# KiCad board Beacon_Multiboard.kicad_pcb (continued)
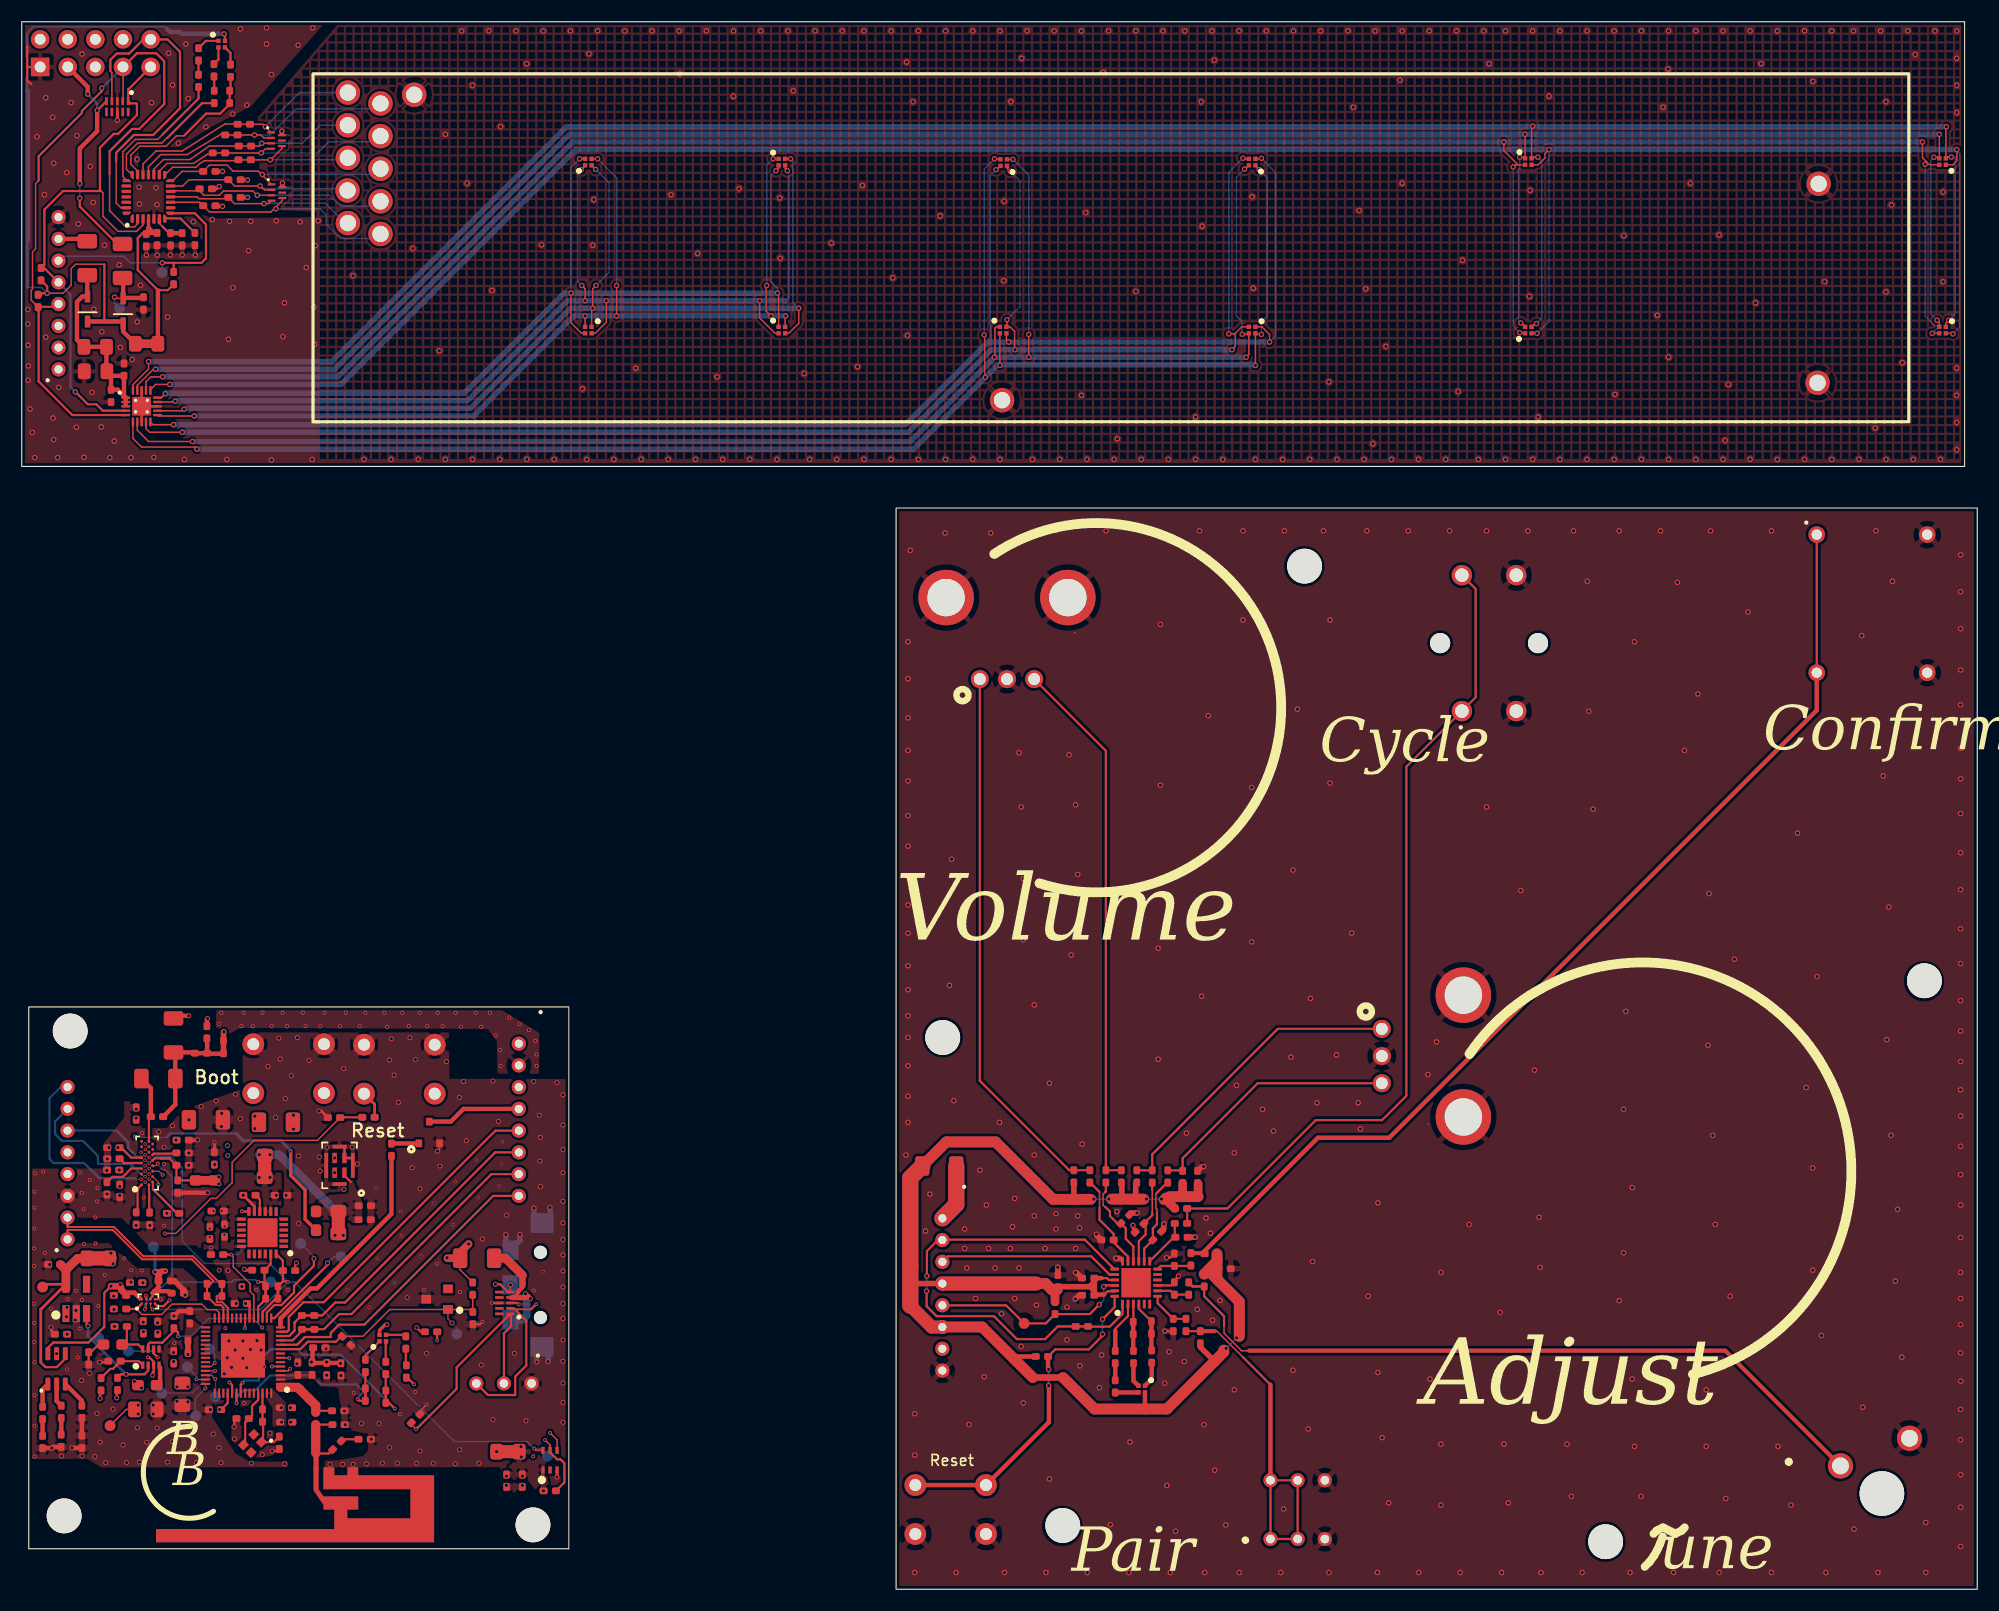
[diagram p0: board, top side]
## Routing (per net, layer and track width the routed paths; a pad name or vN(x,y) marks a point on that pad's centre or on a via; arc(x,y) is an arc through that point)
/Fret_Assembly/+3V3: length 19.8
  Top w0.4: U401.1 9.4,109.75 C303.2 8.24,111.6 C402.2 ; U401.1 8.83,110.32 C401.2 8.21,111.63 C402.2 ; U401.1 9.56,108.95 ; C402.2 7.79,112.05 J401.2 J401.1 5.08,114.9 5.08,118.4 5.57,118.89 D413.2 6.02,118.91 F401.2
/Fret_Assembly/+3V3_DEBUG: length 21.1
  Top w0.2: v1(5.33,127.93) 5.33,127.17 8.55,123.95 9.33,123.95 ; D415.5 7.79,136.86 v1(6.93,136.01)
  Top w0.4: v1(5.33,129.27) 5.33,132.5 6.93,134.1 v1(6.93,136.01) ; v1(6.07,137.5) 6.07,138.16 4.24,139.99
  Bottom w0.13: v1(5.33,127.93) v1(5.33,129.27)
  Bottom w0.2: v1(6.07,137.5) 6.93,136.64 v1(6.93,136.01)
/Fret_Assembly/+3V3_EXT: length 2.7
  Top w0.4: J102.7 5.81,124.19 F401.1
/Fret_Assembly/+3V3_PROTECT: length 83.8
  Top w0.13: 7.59,121.86 4.95,121.86 4.55,121.45 4.55,119.93 3.81,119.19 v1(2.34,119.19)
  Top w0.2: 11.45,124.74 11.13,124.74 10.67,124.27 10.67,121.32 12.52,119.47 13.43,119.47 R409.1 ; 7.59,121.86 7.59,116.67 7.67,116.59 ; 1.78,119.07 1.9,119.19 v1(2.34,119.19) 2.34,119.82 R401.2 ; D417.4 18.69,142.97 v1(18.62,143.04)
  Top w0.3: 11.66,125.21 U402.4
  Top w0.4: J408.1 12.52,119.47 ; J408.2 9.33,115.67 9.33,116.6 9.32,116.59 D413.1 ; 11.45,124.74 C405.2 12.13,124.74 11.66,125.21 11.66,124.94 11.45,124.74
  Top w0.8: J408.2 J408.1
  Bottom w0.13: v1(2.34,119.19) 1.8,119.72 0.51,119.72 ; 0.5,143.03 0.5,143.13 1.07,143.7 13.16,143.7 13.36,143.5
  Bottom w0.2: 0.58,124.09 0.51,124.02 0.51,119.72 ; 0.5,143.03 0.5,137.85 0.51,137.83
  Bottom w0.4: 0.51,137.83 0.58,137.76 0.58,124.09 ; v1(18.62,143.04) 18.59,143.07 14.68,143.07 14.53,143.22 13.64,143.22 13.36,143.5
/Main_Board/3V3_PG: length 46.3
  Top w0.13: C801.2 27.19,41.28 21.36,41.28 19.35,39.27 19.35,37.4 17.9,35.95 17.4,35.95 14.17,32.72 v3(13.18,32.72)
  Top w0.2: R804.2 29.32,43.41 C801.2 ; PS501.2 11.63,20.11 11.29,19.77 v2(9.6,19.77) 9.12,19.77 R505.1 ; v2(6.09,24.21) 5.96,24.34 PS503.3
  In3.Cu w0.13: v2(6.09,24.21) 6.09,26.54 9.55,29.99 9.76,29.99 12.48,32.72 v3(13.18,32.72)
  Bottom w0.25: v2(9.6,19.77) 6.09,23.27 v2(6.09,24.21)
/Main_Board/+2V5: length 52.8
  Top w0.2: D501.4 4.01,21.21 3.22,20.43 2.18,20.43 1.75,20.86 ; C604.2 9.12,40.57 9.15,40.62 10.07,39.7 U601.A11
  Top w0.25: 1.75,20.86 1.75,25.74 PS503.5 1.93,28.05 1.88,28.1
  Top w0.3: v3(24.74,40.24) 24.74,38.06 26.06,36.73 26.06,34.03 R1201.1
  Top w0.8: C534.2 4.06,29.37 ; 4.06,29.37 4.06,27.64 ; 4.06,29.37 5.13,30.43 J603.1
  Top w1.3: J603.2 J603.1
  In2.Cu w0.09: U601.B6 11.21,38.45 ; U601.B14 11.21,40.6 11,40.6 10.93,40.67
  In2.Cu w0.2: v2(9.01,37.04) 9.01,37.21 C606.2 10.24,38.45 11.21,38.45 ; v2(10.51,43.34) 10.51,43.17 10.52,43.17 10.52,41.08 10.93,40.67
  Bottom w0.09: 13.36,41.56 10.47,41.56 v3(10.4,41.64) 10.46,41.56
  Bottom w0.2: 19.71,41.92 13.66,41.92 13.36,41.61
  Bottom w0.3: 24.74,40.29 24.74,40.34 23.82,41.26 20.37,41.26 19.71,41.92
  vias: v2(8.2,30.92) v2(8.4,29.93) v2(8.84,40.62) v5(11.37,40.45) v5(11.35,38.45)
/Main_Board/+3V3: length 166.9
  Top w0.13: C502.2 9.62,16.54 TP501.1 ; 14.23,37.72 C602.2 ; 15.99,37.6 J601.1
  Top w0.18: 12.79,39.63 12.22,39.63
  Top w0.2: v2(12.04,19.68) 12.04,19.91 12.13,20 PS501.3 12.13,20.93 11.73,21.33 v3(11.61,21.33) ; 30.26,37.45 29.68,38.04 MK1201.1 ; C703.2 20.71,26.28 v2(20.57,26.28) 20.72,26.28 20.95,26.05 U701.20 ; v2(25.27,30) 25.15,29.89 R702.2 ; 13.58,39.63 C603.2 14.23,37.72 ; C602.2 15.99,37.6 ; R505.2 8.73,18.24 v2(8.73,17.6) ; U701.46 18.95,17.13 18.35,16.53 v2(18.18,16.53) 18.19,16.52 C709.2 ; R501.2 7.21,18.2 v2(7.21,17.54) ; U601.D10 12.22,39.63
  Top w0.25: 12.79,39.63 12.8,39.62 12.81,39.63 13.58,39.63 ; v2(20.47,29.43) 20.55,29.35 R701.2
  Top w0.3: D801.4 32.9,23.82 33.42,24.34 v2(33.58,24.34)
  Top w0.4: C706.2 26.74,22.16 26.74,21 v2(26.64,20.9) L701.1 26.74,20.81 27.95,20.81 v2(28.04,20.9) 28.01,20.85 C705.2 28.06,20.81 29.27,20.81 v2(29.31,20.77) 29.33,20.79 C704.2
  Top w0.5: J701.2 J701.1
  Top w0.8: J601.1 J601.2
  Top w1.2: J1001.1 J1001.2 ; J1201.2 J1201.1 ; v2(43.68,12.65) J1101.2
  In2.Cu w0.2: 10.72,18.7 10.65,18.76 ; 18.18,17.61 18.54,17.96 19.94,17.96 ; v2(12.04,19.68) 11.57,19.68 ; v2(25.27,30) 24.81,30.46 21.5,30.46 v2(20.47,29.43) ; v2(11.02,18.51) 10.41,19.12 v2(10.36,19.12) ; 29.18,20.9 v2(29.31,20.77)
  In2.Cu w0.25: v2(3.21,21.67) 3.21,21.71
  In2.Cu w0.5: 3.21,21.71 4.56,23.06 v2(4.17,23.45) 4.11,23.51 v2(4.11,25.06) 4.1,25.08 4.1,25.86 v2(4.16,25.93)
  In2.Cu w0.6: v2(13.97,20.95) 14.46,20.95 15.1,21.59 v2(15.29,21.59) ; 13.97,20.86 13.42,20.31 12.04,20.31 ; v2(23.88,16.7) 22.95,17.63 U701.56 ; 7.61,24.85 v2(8.48,25.72)
  In2.Cu w0.7: 18.18,17.61 v2(18.18,16.53) ; v2(15.29,18.61) 15.29,18.55 16.33,17.51 17.45,17.51 ; 23.77,15.5 23.77,16.59 ; U701.56 22.78,18.2 22.78,18.9 23.77,19.89 23.77,21.9 24.2,22.33 25.83,22.33 26.67,21.49 26.67,21.14 26.79,21.01 29.07,21.01 29.18,20.9
  In2.Cu w0.8: 15.08,18.45 13.81,18.45 12.58,19.68 v2(12.04,19.68) 12.04,20.59 11.61,21.02 v3(11.61,21.33) 9.64,23.3 8.08,23.3 7.21,24.16 ; 11.57,19.68 9.43,17.54 v2(7.21,17.54) ; 17.45,17.51 17.9,17.96 22.87,17.96 U701.56 ; 7.21,24.16 7.21,24.45 7.61,24.85 ; 7.21,24.16 7.21,23.93 6.34,23.06 4.56,23.06 ; v2(10.72,16.12) 10.72,18.7
  In3.Cu w0.2: v2(43.68,12.65) 43.68,12.71 ; 32.89,23.5 32.74,23.5
  In3.Cu w0.5: v2(29.31,20.77) 30.01,20.77 v2(33.58,24.34)
  In3.Cu w0.6: 43.68,12.71 32.89,23.5
  In3.Cu w0.7: 20.75,26.42 20.75,25.86 20.22,25.33 16.28,25.33
  In3.Cu w0.8: v2(21.84,39.96) 21.43,40.37 v2(21.43,43.5) ; v2(21.84,39.96) 19.25,37.37 19.25,36.84 ; v2(21.84,39.96) v2(22.83,39.96) ; 19.25,36.84 18.58,36.84 18.11,37.31 18.11,38.7 v2(17.75,39.06) ; 19.25,36.84 19.25,34.42 20.37,33.31 20.37,29.53 v2(20.47,29.43) 20.46,29.43 18.98,27.96 18.91,27.96 15.39,24.44 15.39,21.69 v2(15.29,21.59)
  Bottom w0.2: v2(28.82,32.55) 28.87,32.49 29.21,32.49 29.26,32.55 v2(29.58,32.55)
  Bottom w0.8: 29.21,32.49 29.21,34.42 23.67,39.96 v2(21.84,39.96)
  vias: v2(10.72,16.93) v2(14.27,18.61) v2(18.13,37.92) v2(18.13,37.28) v2(21.43,42.36) v2(21.84,37.87) v2(22.83,37.87) v2(23.42,36.23) v2(23.9,15.37) v2(44.57,10.39) v2(45.92,13.11) v2(45.95,12.17) v2(46.05,10.39) v2(47.88,10.34) v2(47.98,9.05) v3(17.29,33.17) v3(17.4,31.43) v3(18.39,34.79) v3(18.67,33.37)
/Main_Board/+3V3_EXT: length 23.3
  In2.Cu w0.8: v2(24.99,43.59) v2(24.99,42.32) ; 24.99,42.93 41.4,42.93 44.64,46.18 J101.3
/Main_Board/+5V: length 31.2
  Top w0.2: 9.01,27.87 9.14,27.74 9.14,27.95 v2(9.07,28.02) ; PS502.A2 10.98,26.74 10.89,26.74 ; D501.6 2.41,22.2 2.89,22.69 6.14,22.69 7.59,24.14 7.59,27.26 v2(8.2,27.87)
  Top w0.4: 10.89,26.74 10.36,27.28 9.59,27.28
  Top w0.6: 9.14,27.74 9.14,27.54 9.61,27.07 C504.2 ; v2(8.2,27.87) 9.01,27.87
  In2.Cu w0.2: v2(8.2,27.87) 8.35,28.02 v2(9.07,28.02)
  In2.Cu w0.7: 2.69,32.11 2.69,31.86
  In2.Cu w0.8: 8.05,28.02 5.97,28.02 4.52,29.47 4.52,30.03 2.69,31.86
  In2.Cu w1: v2(9.07,28.02) 8.05,28.02 ; J106.4 3.27,38.18 2.69,37.6 2.69,32.11
/Main_Board/Regulators/3V3_EN: length 53.4
  Top w0.13: v3(36.27,14.71) 35.82,15.16 R508.2
  Top w0.2: PS501.7 11.63,22.52 11.78,22.68 12.93,22.68 14,23.75 C507.1 14.37,23.62 v3(14.37,23.27) ; SW501.2 44.35,23.53 45.01,24.19 45.01,25.25 D507.1 39.99,20.39 39.99,18.44 v3(36.27,14.71)
  In2.Cu w0.13: v3(22.12,24.06) 26.85,24.06 33.32,17.58 33.32,16.85 35.46,14.71 v3(36.27,14.71)
  Bottom w0.13: v3(22.12,24.06) 21.28,24.9 17.19,24.9 15.57,23.27 v3(14.37,23.27)
/Tactile_Board/+3V3: length 130.4
  Top w0.13: 108.19,37.29 C301.2
  Top w0.2: 99.55,27.09 99.86,27.4 100.47,27.4 U1501.23 ; U1501.21 99.97,28.44 99.8,28.62 99.32,28.62 ; 91.58,21.4 91.31,21.14 ; 103.3,16.59 103.29,16.58 ; 95.03,27.35 95.54,27.85 ; 110.02,30.76 R1402.1
  Top w0.25: R1410.2 101.18,37.35
  Top w0.3: 98.7,27.09 C1501.2
  Top w0.4: 99.55,27.09 98.7,27.09 ; 99.32,28.62 C1503.2 ; R1502.2 91.58,21.4 ; D1501.4 103.3,16.59
  Top w0.5: R1409.1 96.76,35.88 96.74,35.86 ; 98.23,27.85 98.65,28.27 C1503.2 C1501.2 98.65,27.44 98.23,27.85 ; 98.23,27.85 98.21,27.83 95.57,27.83 95.54,27.85 ; 109.7,20.96 108.39,22.27 R1403.1 ; 101.18,37.35 101.18,35.88 ; J104.4 81.72,28.12 ; R1411.1 102.45,37.29 102.45,35.88
  Top w0.6: 92.98,19.47 95.77,19.47
  Top w0.8: 105.57,36.11 105.57,35.49 R1401.1 ; R1501.2 95.03,27.35 ; R1412.2 106.77,36.31 106.57,36.11 ; 108.19,36.11 108.19,37.29 ; 110.02,28.41 110.02,30.76
  Top w1: R1404.1 109.93,30.16 R1402.1 ; 105.76,35.96 105.22,35.96 105.09,35.83 ; 93.3,28.12 94.16,28.12 94.73,27.55 95.24,27.55 ; F301.2 85.03,41.14 89.57,41.14 94.86,35.86 98.31,35.86 ; 111.98,23.26 111.98,26.46 109.56,28.87 ; 100.24,35.88 103.19,35.88 ; 110.55,21.99 110.55,21.81 105.32,16.58 98.67,16.58 95.77,19.47 ; 108.19,36.11 105.57,36.11 ; J104.6 88.33,24.12 92.98,19.47
  Top w1.2: 81.72,29.78 81.72,28.12 ; 81.72,26.08 83.69,24.12 J104.6
  Top w1.3: J104.4 93.3,28.12
  Top w1.5: 81.72,26.08 81.72,37.83 F301.2
  Bottom w0.13: v1(111.73,23.12) v1(110.77,22.16) ; v1(104.82,35.88) v1(103.44,35.88) ; v1(99.97,35.88) v1(98.61,35.88)
/Tactile_Board/+3V3_EXT: length 5.3
  Top w1.5: J104.1 85.95,35.39 F301.1
GND: length 106.9
  Top w0.13: 2.87,13.09 v2(2.77,12.99) 2.76,12.98 ; R508.1 36.62,16.39 v3(37.23,17) ; C610.2 14.19,52.74 ; 23.93,133.9 D416.7 ; v2(29.64,36.79) 29.64,36.85 ; C1406.1 102.04,34.61 ; v2(38.22,40.29) 38.43,40.49 Q1301.S ; 23.98,129.1 23.98,128.96 D418.7 ; v1(96.91,29.12) 97.01,29.12 ; 16.15,41.31 v2(16.18,41.33) ; v1(108.7,38.88) 108.54,38.88 ; 4.63,13 v2(4.62,13.01)
  Top w0.2: C406.1 17.88,127.18 v1(18.46,127.18) ; C533.1 2.69,23.8 v2(2.69,24.09) ; R503.1 7.87,20.89 v2(7.16,20.89) ; v1(105.14,23.74) 105.9,23.74 C1403.1 ; v2(23.04,12.71) 23.49,12.71 C710.1 ; J410.1 J410.2 6.36,21.8 7.07,22.51 R504.1 ; U401.EP 11.03,108.8 U401.8 ; U401.EP 11.03,108.8 U401.18 ; U401.EP 11.04,108.79 U401.13 ; U1501.9 105.72,27.94 C1404.1 106.01,28.41 v1(106.39,28.79) ; v3(43.25,26.33) D507.8 ; 0.51,140.02 0.51,141.87 0.53,141.9 ; 0.51,140.02 0.51,138.77 0.86,138.42 ; 0.51,140.02 0.53,139.99 1.7,139.99 ; C1407.1 102.2,33.05 v1(102.2,33.47) ; C413.1 17.84,130.4 v1(18.46,130.4) ; v3(45.7,26.2) 45.57,26.33 D507.3 ; C412.1 20.16,129.6 v1(20.76,129.6) ; R510.1 42.14,24.37 v3(42.36,24.59) ; v3(12.77,26.68) 12.25,26.68 PS502.D2 ; v1(105.29,30.5) 105.63,30.5 C1402.1 ; v1(98.84,32.66) 98.84,32.57 ; v2(19.53,14.94) 19.53,15.48 C711.1 ; 105.04,33.14 C1408.1 ; v1(20.76,128) C410.1
  Top w0.25: C801.1 27.55,43.98 v2(27.35,43.98) ; 17.5,128.79 17.95,128.79 v1(18.16,129) ; 30.46,39.68 30.45,39.66 MK1201.2 29.68,40.67 29.65,40.7 ; v2(49.23,10.32) 49.24,10.33 U1101.3 ; v1(8.79,135.1) D415.8 ; C601.1 17.73,40.2 v4(17.73,41.1) ; v2(20.37,36.24) 21.4,35.21 U1001.11
  Top w0.3: C612.2 16.15,41.31 ; 100.97,30.45 U1501.18 ; 97.24,27.04 C1501.1
  Top w0.4: C602.1 v2(17.08,36.47) ; J502.2 5.53,14.14 R511.1 ; v2(17.09,52.48) 17.03,52.42 C609.2 ; v1(23.93,134.1) 23.93,133.9 ; 14.19,52.74 v2(15.36,52.74) ; J502.1 4.63,13 ; R516.1 2.76,12.98 ; R515.1 2.87,13.09 ; v1(23.98,129.33) 23.98,129.1 ; v2(14,25.13) 14.44,25.57 C708.1
  Top w0.5: C513.1 v2(15.03,27.06) 14.91,27.51 14.07,28.35 C506.1 ; v1(105.04,33.59) 105.04,33.14 ; 108.54,38.88 C301.1 ; v1(95.29,29.61) C1502.1 ; 98.84,32.57 C1405.1 ; C1401.1 v1(107.91,32.38) ; v1(96.9,26.7) 97.24,27.04 ; 102.04,34.61 v1(102.58,34.61) ; 97.01,29.12 C1503.1 ; v1(100.65,30.45) 100.97,30.45
  In4.Cu w0.15: 8.16,39.17 8.11,39.12 7.06,39.12 ; 10.01,39.17 10.06,39.12
  In4.Cu w0.2: 10.06,39.12 10.82,38.36 10.51,38.06 10.51,37.7 10.63,37.59 10.63,37.55 10.83,37.35 11.28,37.35 v5(11.36,37.43) ; 7.06,39.12 7.01,39.17 ; 8.16,39.17 10.01,39.17
  In4.Cu w0.25: 5.99,42.17 5.13,42.17 ; 9.8,41.1 9.9,41 ; 4.98,41.15 4.47,41.15 4.42,41.21 3.71,41.21 3.1,41.81 3.1,43.03 3.6,43.54 ; 10.46,39.94 10.7,39.94 v5(10.97,40.2)
  In4.Cu w0.381: 5.22,39.17 3.05,39.17 2.49,39.73 2.49,45.12 3.2,45.83 ; J106.5 4.21,40.9 4.47,41.15 5.69,41.15 7.01,39.83 7.01,39.17
  In4.Cu w0.4: 9.8,41.1 8.73,42.17 5.99,42.17 4.98,41.15 ; 10.51,37.7 10.34,37.7 10.19,37.85 7.01,37.85 5.69,39.17 5.22,39.17 J106.5 ; 9.9,41 9.9,40.49 10.46,39.94
  Bottom w0.2: 47.37,21.8 J501.3 48.41,21.73
  Bottom w0.5: v2(47.37,20.91) 47.37,21.8 ; v2(47.11,35.06) 47.11,34.42 J501.3 48.59,34.42 v2(48.59,35.11) ; v2(44.52,32.62) 44.52,31.62 J501.3 45.82,32.05 v2(45.82,32.62) ; v2(48.41,20.94) 48.41,21.73
  vias: v1(0.56,117.69) v1(0.56,116.37) v1(0.58,114.42) v1(0.58,111.19) v1(0.61,112.51) v1(0.76,108.55) v1(0.97,106.39) v1(1.19,104.08) v1(1.4,133.59) v1(2.08,128.26) v1(2.21,137.17) v1(2.21,115.15) v1(2.85,135.37) v1(2.87,107.71) v1(2.95,131.15) v1(2.95,105.73) v1(3.3,104.08) v1(3.4,110.53) v1(4.14,130.29) v1(4.55,136.72) v1(5.08,133.69) v1(5.03,106.87) v1(5.21,125.57) v1(5.54,141.19) v1(5.74,104.1) v1(6.3,130.85) v1(6.48,110.07) v1(6.58,127.55) v1(6.63,117.72) v1(7.37,115.66) v1(7.32,106.9) v1(7.62,123.61) v1(8.1,104.08) v1(8.51,105.6) v1(8.97,121.81) v1(9.07,114.21) v1(10.06,104.08) v1(10.16,113.1) v1(10.62,131.51) v1(10.62,116.55) v1(10.8,128.94) v1(10.82,127.4) v1(10.92,119.93) v1(11.46,122.7) v1(11.94,136.72) v1(12.14,104.1) v1(12.34,128.89) v1(12.45,127.34) v1(12.46,122.7) v1(13.41,117.01) v1(13.51,141.26) v1(13.66,122.7) v1(13.87,138.34) v1(14.4,132.98) v1(14.76,122.7) v1(14.96,103.9) v1(15.09,142.1) v1(15.32,137.1) v1(15.77,125.77) v1(15.96,122.7) v1(16.94,134.48) v1(17.53,125.97) v1(18.86,103.9) v1(19.01,114.95) v1(19.11,125.8) v1(19.41,135.68) v1(19.41,119.7) v1(20.11,143.5) v1(20.7,136.49) v1(20.86,123.1) v1(21.06,125.8) v1(22.51,143.6) v1(22.51,142.1) v1(22.96,139.3) v1(22.96,103.85) v1(23.41,125.85) v1(24.01,115.2) v1(24.16,118.3) v1(25.41,142) v1(25.61,125.75) v1(26.16,121.55) v1(26.76,143.6) v1(26.71,103.9) v1(26.87,117.92) v1(26.92,114.49) v1(27,123.56) v1(27.26,125.85) v1(30.46,120.8) v1(31.46,103.9) v1(33.96,103.9) v1(35.96,123.3) v1(36.46,103.91) v1(38.41,113.9) v1(38.96,133.8) v1(38.96,103.9) v1(40.46,143.3) v1(40.96,129.3) v1(41.46,138.3) v1(41.46,103.9) v1(42.96,143.31) v1(43.26,119.44) v1(43.96,103.9) v1(44.04,134.51) v1(45.46,143.3) v1(46.43,140.3) v1(46.46,103.91) v1(47.81,123.65) v1(47.96,143.3) v1(48.96,103.9) v1(50.46,143.3) v1(51.56,110.4) v1(51.96,103.9) v1(52.17,141.21) v1(52.51,123.6) v1(52.61,127.8) v1(52.96,143.31) v1(54.46,103.9) v1(55.46,143.3) v1(56.46,112.3) v1(56.96,103.91) v1(57.96,143.3) v1(59.46,103.9) v1(59.71,128.25) v1(60.46,143.3) v1(60.51,139.35) v1(61.96,103.9) v1(62.16,122.85) v1(62.96,143.31) v1(63.96,111.5) v1(64.46,103.9) v1(65.46,143.3) v1(65.46,137.3) v1(65.96,128.8) v1(66.96,103.91) v1(67.96,143.3) v1(69.46,103.9) v1(69.71,127.95) v1(69.76,122.4) v1(70.46,143.3) v1(70.96,137.8) v1(71.96,111.8) v1(72.46,103.9) v1(72.96,143.31) v1(74.46,123.8) v1(74.96,103.9) v1(75.46,143.3) v1(76.87,112.44) v1(77.31,129.1) v1(77.46,143.3) v1(77.46,103.91) v1(79.96,143.3) v1(79.96,103.9) v1(80.11,120.6) v1(81.38,140.45) v1(81.32,39.94) v1(81.46,115.3) v1(81.52,87.14) v1(81.52,83.74) v1(81.52,80.14) v1(81.52,77.14) v1(81.52,74.34) v1(81.52,71.14) v1(81.52,68.34) v1(81.52,65.54) v1(81.52,62.94) v1(81.52,60.34) v1(81.52,57.34) v1(81.52,55.14) v1(81.52,52.74) v1(81.52,50.74) v1(81.52,48.14) v1(81.52,45.34) v1(81.52,42.94) v1(81.72,95.54) v1(81.96,136.8) v1(82.13,16.15) v1(82.13,12.34) v1(82.13,1.54) v1(82.46,143.31) v1(82.46,103.9) v1(83.12,32.94) v1(83.52,36.34) v1(84.46,126.3) v1(84.96,143.3) v1(84.96,103.9) v1(84.92,97.14) v1(85.32,55.54) v1(85.52,67.14) v1(85.72,44.94) v1(85.94,1.54) v1(86.72,33.14) v1(86.72,31.34) v1(86.92,29.54) v1(87.12,15.14) v1(87.46,143.3) v1(87.46,103.91) v1(87.72,26.74) v1(88.12,38.54) v1(88.52,19.54) v1(88.72,35.34) v1(88.92,31.34) v1(89.12,97.14) v1(89.52,29.54) v1(89.96,143.3) v1(89.96,103.9) v1(89.92,42.94) v1(90.12,25.34) v1(90.36,127.65) v1(90.31,120.35) v1(90.39,1.54) v1(90.96,136.8) v1(90.92,31.34) v1(91.12,33.34) v1(91.32,35.94) v1(91.32,26.74) v1(91.72,76.94) v1(91.72,29.54) v1(91.96,140.8) v1(91.92,71.94) v1(91.92,22.34) v1(92.12,65.34) v1(92.12,59.74) v1(92.12,17.14) v1(92.46,143.31) v1(92.96,103.9) v1(93.12,53.74) v1(93.12,39.94) v1(93.12,34.34) v1(93.32,26.14) v1(93.72,97.14) v1(94.12,31.34) v1(94.2,1.54) v1(94.52,46.54) v1(94.52,10.14) v1(94.96,143.3) v1(95.12,34.54) v1(95.12,33.14) v1(95.46,103.9) v1(96.12,25.94) v1(96.12,22.94) v1(96.32,76.74) v1(96.52,58.34) v1(96.92,72.14) v1(96.92,31.34) v1(97.12,65.74) v1(97.12,34.34) v1(97.28,33.24) v1(97.32,20.54) v1(97.46,143.3) v1(97.46,109.8) v1(97.52,40.94) v1(97.86,126.6) v1(97.96,103.91) v1(98.01,1.54) v1(99.12,18.54) v1(99.32,21.54) v1(99.46,139.5) v1(99.72,97.34) v1(99.96,143.3) v1(100.12,5.94) v1(100.46,103.9) v1(100.76,105.8) v1(100.72,34.74) v1(101.82,1.54) v1(101.92,13.54) v1(102.46,143.31) v1(102.46,119.35) v1(102.96,103.9) v1(104.12,97.34) v1(104.52,58.94) v1(104.52,48.74) v1(104.72,88.74) v1(104.72,73.94) v1(104.96,143.3) v1(105.12,18.94) v1(105.32,9.54) v1(105.46,103.9) v1(105.52,21.84) v1(105.63,1.54) v1(106.12,5.34) v1(106.96,143.3) v1(106.92,20.94) v1(107.12,41.94) v1(107.96,107.8) v1(107.96,103.91) v1(108.12,25.74) v1(108.32,97.34) v1(108.32,66.74) v1(108.46,136.8) v1(108.56,125.35) v1(108.52,54.54) v1(108.72,15.14) v1(108.8,1.54) v1(108.92,34.14) v1(109.12,80.34) v1(109.32,32.74) v1(109.46,143.3) v1(109.52,24.74) v1(109.68,140.63) v1(109.72,10.94) v1(110.22,26.56) v1(110.46,103.9) v1(110.73,5.9) v1(111.52,40.14) v1(111.52,18.34) v1(111.72,46.34) v1(111.96,143.31) v1(111.98,1.54) v1(112.32,97.34) v1(112.32,89.14) v1(113.16,128.05) v1(113.12,73.74) v1(113.12,59.54) v1(113.26,119.65) v1(113.46,103.9) v1(114.12,44.14) v1(114.46,143.3) v1(115.12,42.14) v1(115.79,1.54) v1(115.96,103.9) v1(116.06,7.38) v1(116.12,97.34) v1(116.72,48.94) v1(116.96,143.3) v1(116.92,66.14) v1(116.92,20.14) v1(117.32,80.94) v1(118.32,14.74) v1(118.46,103.91) v1(118.52,54.34) v1(118.72,30.14) v1(119.12,44.74) v1(119.46,143.3) v1(119.72,97.34) v1(120.22,111.04) v1(120.23,1.54) v1(120.32,89.14) v1(120.32,74.14) v1(120.96,103.9) v1(120.92,49.14) v1(121.96,143.31) v1(122.32,60.34) v1(122.46,136.3) v1(122.92,44.74) v1(123.01,126.8) v1(123.12,42.34) v1(123.46,103.9) v1(123.61,119.6) v1(123.72,97.34) v1(123.83,26.96) v1(124.26,105.35) v1(124.46,143.3) v1(124.68,1.54) v1(124.72,35.54) v1(124.72,19.94) v1(125.12,13.94) v1(125.46,114.3) v1(125.72,7.94) v1(125.96,103.9) v1(126.75,138.8) v1(126.96,143.3) v1(126.96,129.3) v1(127.52,97.34) v1(128.46,103.91) v1(128.49,1.54) v1(129.32,47.34) v1(129.46,143.3) v1(129.52,19.34) v1(130.12,50.34) v1(130.52,29.14) v1(130.52,13.34) v1(130.52,7.74) v1(130.96,103.9) v1(131.32,97.34) v1(131.96,143.31) v1(132.11,110.15) v1(132.3,1.54) v1(132.51,122.22) v1(133.12,33.54) v1(133.96,103.9) v1(134.46,143.3) v1(134.72,97.34) v1(134.72,71.94) v1(134.96,140.3) v1(135.52,19.34) v1(135.98,25.45) v1(136.11,1.54) v1(136.32,13.34) v1(136.46,143.3) v1(136.46,103.9) v1(136.72,7.94) v1(137.86,64.25) v1(138.52,97.34) v1(138.66,118.9) v1(138.71,128.65) v1(138.96,143.3) v1(138.96,103.91) v1(139.12,47.74) v1(139.46,107.8) v1(139.56,34.21) v1(139.65,29.6) v1(139.72,1.54) v1(140.46,137.3) v1(141.46,143.3) v1(141.46,103.9) v1(141.72,19.34) v1(142.12,13.34) v1(142.52,8.54) v1(142.72,97.34) v1(143.52,1.54) v1(143.96,143.31) v1(143.96,103.9) v1(143.98,92.7) v1(144.12,80.74) v1(144.52,71.74) v1(146.46,143.3) v1(146.46,103.9) v1(146.53,109.89) v1(146.92,97.34) v1(146.92,26.54) v1(147.35,124.5) v1(147.32,44.14) v1(147.32,30.94) v1(147.52,53.14) v1(147.92,1.54) v1(148.12,36.94) v1(148.12,19.34) v1(148.32,87.14) v1(148.32,13.14) v1(148.96,143.3) v1(148.96,103.91) v1(148.92,8.54) v1(150.42,117.17) v1(150.72,97.34) v1(150.96,136.3) v1(151.46,143.3) v1(151.41,139.8) v1(151.46,113.3) v1(151.46,103.9) v1(151.92,1.54) v1(152.27,92.6) v1(152.92,77.14) v1(153.46,129.3) v1(153.96,143.31) v1(153.96,103.9) v1(154.15,82.34) v1(154.92,18.34) v1(154.92,13.14) v1(155.19,63.97) v1(155.1,50.03) v1(155.32,97.34) v1(155.52,41.74) v1(155.76,33.55) v1(156.11,124.55) v1(156.12,1.54) v1(156.46,143.3) v1(156.46,103.9) v1(156.66,105.65) v1(156.72,8.34) v1(156.96,110.8) v1(157.12,26.94) v1(157.52,57.94) v1(158.77,89.87) v1(158.96,143.3) v1(158.96,103.91) v1(159.46,118.3) v1(159.96,140.3) v1(160.92,97.34) v1(160.92,1.54) v1(161.46,143.3) v1(161.46,103.9) v1(161.52,13.14) v1(162.72,7.74) v1(163.32,69.54) v1(163.96,143.31) v1(163.96,103.9) v1(164.12,46.14) v1(164.74,138.67) v1(164.72,38.74) v1(164.72,29.34) v1(165.12,56.34) v1(165.52,23.34) v1(165.81,120.26) v1(165.92,1.54) v1(166.46,143.3) v1(166.46,103.9) v1(168.46,143.3) v1(168.52,5.54) v1(168.96,103.91) v1(169.22,87.7) v1(169.32,16.74) v1(170.46,106.8) v1(170.52,97.34) v1(170.72,1.54) v1(170.96,143.3) v1(171.2,74.8) v1(171.46,136.8) v1(171.46,119.3) v1(171.46,103.9) v1(171.52,50.54) v1(171.72,62.74) v1(171.96,127.3) v1(171.92,41.74) v1(172.05,92.7) v1(172.32,28.34) v1(172.52,34.94) v1(172.96,112.8) v1(172.92,21.34) v1(173.46,143.31) v1(173.96,103.9) v1(174.14,141.14) v1(175.12,6.14) v1(175.12,1.54) v1(175.96,143.3) v1(176.46,103.9) v1(176.71,128.5) v1(176.71,120.25) v1(177.96,143.3) v1(177.95,140.8) v1(177.96,138.3) v1(177.96,135.8) v1(177.96,112.3) v1(177.95,109.8) v1(177.96,107.3) v1(177.96,104.8) v1(178.32,95.14) v1(178.32,91.74) v1(178.32,88.34) v1(178.32,84.54) v1(178.32,81.34) v1(178.32,77.34) v1(178.32,74.54) v1(178.32,71.34) v1(178.32,67.74) v1(178.32,64.34) v1(178.32,60.74) v1(178.32,57.54) v1(178.32,54.14) v1(178.32,51.34) v1(178.32,48.54) v1(178.32,45.94) v1(178.32,43.54) v1(178.32,40.74) v1(178.32,38.14) v1(178.32,35.34) v1(178.32,32.34) v1(178.32,29.14) v1(178.32,26.74) v1(178.32,24.34) v1(178.32,21.74) v1(178.32,19.14) v1(178.32,16.54) v1(178.32,13.74) v1(178.32,10.54) v1(178.32,7.54) v1(178.32,3.94) v2(2.57,29.87) v2(3.65,12.25) v2(4.98,25.65) v2(4.92,24.76) v2(5.5,19.21) v2(5.53,12.25) v2(6.23,19.87) v2(6.73,12.2) v2(6.92,16.17) v2(7.22,13.54) v2(7.72,11.64) v2(7.87,39.58) v2(7.82,38.51) v2(7.85,36.35) v2(8.02,40.62) v2(8.39,16.57) v2(8.46,26.96) v2(9.01,36.23) v2(9.32,13.27) v2(9.65,11.64) v2(10.06,28.25) v2(10.51,44.15) v2(10.51,33.46) v2(10.64,14.87) v2(10.82,11.69) v2(11.17,24.55) v2(11.5,13.52) v2(11.78,33.46) v2(12.09,16.93) v2(12.09,16.12) v2(12.46,14.84) v2(12.49,24.5) v2(12.6,42.07) v2(13.1,40.65) v2(13.41,11.69) v2(13.87,42.63) v2(13.87,13.57) v2(13.97,21.76) v2(14.27,17.29) v2(14.4,14.98) v2(15.29,17.24) v2(15.36,40.13) v2(15.36,38.99) v2(15.9,12.93) v2(16.05,11.64) v2(16.51,44.41) v2(17.35,16.53) v2(17.62,14.28) v2(17.88,44.91) v2(18.13,13.01) v2(18.39,43.77) v2(18.36,42.55) v2(18.34,11.64) v2(18.62,19.82) v2(18.97,29.32) v2(18.89,21.29) v2(19.05,22.84) v2(19.3,20.4) v2(19.56,13.82) v2(19.66,45.52) v2(19.63,22) v2(19.73,26.28) v2(20.1,43.28) v2(20.34,22.84) v2(20.34,21.24) v2(20.7,20.38) v2(21.03,22.05) v2(21.13,11.59) v2(21.64,22.87) v2(22.02,22) v2(22.12,12.38) v2(22.65,48.08) v2(22.83,14.36) v2(23.35,43.38) v2(23.65,50.68) v2(23.77,48.77) v2(24.18,11.54) v2(24.25,45.13) v2(24.31,36.23) v2(24.7,16.7) v2(24.73,15.37) v2(24.8,47.23) v2(25.35,50.73) v2(25.3,20.73) v2(25.45,39.83) v2(25.45,33.64) v2(26.41,48.62) v2(27.38,39.76) v2(27.45,38.46) v2(27.99,22.1) v2(28.09,40.65) v2(28.05,19.68) v2(28.34,11.49) v2(29.36,19.65) v2(29.51,11.49) v2(29.6,47.88) v2(29.68,16.4) v2(29.75,15.12) v2(30.4,40.65) v2(30.48,11.49) v2(30.86,39.12) v2(31.24,15.25) v2(31.7,11.54) v2(32.15,13.8) v2(32.86,15.25) v2(33.17,11.59) v2(33.83,48.67) v2(33.83,13.04) v2(34,50.63) v2(34.25,47.28) v2(34.54,11.59) v2(34.65,44.78) v2(35.46,26.83) v2(35.7,50.73) v2(35.91,38.77) v2(36.22,48.72) v2(36.32,11.59) v2(36.62,36.84) v2(36.62,12.71) v2(37.23,21.7) v2(37.84,11.59) v2(38.45,38.92) v2(39.06,48.52) v2(39.88,11.54) v2(40.25,45.23) v2(40.26,12.83) v2(40.64,46.69) v2(40.89,41.26) v2(42.06,11.59) v2(42.26,20.63) v2(42.36,32.21) v2(43.33,46.74) v2(43.33,15.6) v2(43.85,43.03) v2(44.57,9.56) v2(44.6,34.4) v2(45.31,21.7) v2(46.05,9.56) v2(46.38,15.5) v2(47.09,46.69) v2(47.6,43.59) v2(47.65,39.38) v2(47.7,41.56) v2(47.7,37.04) v2(49.22,46.59) v2(49.78,45.47) v2(49.78,42.68) v2(49.78,40.44) v2(49.78,38.31) v2(49.78,35.67) v2(49.78,33.69) v2(49.78,32.16) v2(49.78,30.74) v2(49.78,29.27) v2(49.78,27.79) v2(49.78,26.27) v2(49.78,24.9) v2(49.78,22.92) v2(49.77,20.96) v2(49.78,18.95) v2(49.78,17.18) v2(49.78,15.35) v3(1.17,36.56) v3(1.17,35.08) v3(1.15,33.18) v3(1.13,31.35) v3(1.13,29.72) v3(1.14,26.24) v3(1.14,24.49) v3(1.14,22.74) v3(1.17,20.89) v3(1.17,17.84) v3(1.17,15.04) v3(1.17,12.2) v3(1.22,38.26) v3(1.98,38.41) v3(2.13,30.94) v3(2.69,25.81) v3(4.16,20.22) v3(4.21,26.7) v3(4.98,27.46) v3(5.15,21.32) v3(5.36,38.33) v3(5.36,23.98) v3(5.51,36.46) v3(5.53,26.6) v3(5.69,34.96) v3(5.72,31.76) v3(6.25,37.65) v3(6.78,34.19) v3(6.79,31.81) v3(6.96,36.89) v3(6.91,35.67) v3(7.05,26.07) v3(7.62,28.91) v3(9.43,30.43) v3(10.06,29.34) v3(11.07,41.97) v3(11.05,29.32) v3(11.22,36.02) v3(13.08,33.43) v3(13.1,39.1) v3(14.04,22.64) v3(17.29,32.4) v3(17.65,34.79) v3(18.64,32.61) v3(20.45,17.12) v3(21.56,27.54) v3(22.3,20.48) v3(24.48,27.54) v3(30.53,18.07) v3(34.8,16.1) v3(36.18,18.15) v3(37,27.53) v3(38.2,29.93) v3(40.3,27.33) v3(47.09,27.46) v3(47.04,12.22) v4(18.15,51.98) v4(18.35,53.03) v4(20.2,51.78) v4(20.4,53.03) v4(21.25,51.78) v4(22.15,53.03) v4(23,51.78) v4(24,53.03) v4(24.4,51.78) v4(25.85,53.03) v4(26.1,51.78) v4(27.45,51.78) v4(27.85,53.03) v4(29.25,51.78) v4(29.8,53.03) v4(31.1,51.78) v4(31.6,53.03) v4(33.35,53.03) v4(33.6,51.73) v4(35,53.03) v4(35.6,51.78) v4(36.6,53.03) v4(37.3,51.78) v4(38.25,53.03) v4(38.7,51.78) v4(39.9,53.03) v4(40.4,51.73) v4(41.75,53.03) v4(42.25,51.73) v4(43.05,53.03) v4(43.6,50.93) v4(44,49.58) v4(44.05,48.13) v4(44.85,52.58) v4(45.8,51.98) v4(46.65,51.43) v4(47.25,50.43) v4(47.35,49.18) v4(47.35,48.13) v5(11.34,39.45) v5(29.92,27.54) v5(31.95,25.91) v5(32.59,36.89) v5(32.76,41.84) v5(32.71,30.44) v5(34.29,28.2) v5(34.85,34.75) v5(34.95,32.52) v5(36.73,30.64) v5(37.92,35.52) v5(39.7,33.53) v5(39.91,37.48) v5(41.83,39.48) v5(42.01,36) v5(43.91,37.09) v5(44.12,39.1) v5(44.22,41.15) v5(47.95,29.19)
